# Altium PCB PCB_v3.PcbDoc (part 6 of 7)
Units mil, origin at the board's own origin, x right, y up, seen from the top; angles counter-clockwise.
Board outline 17000 x 5250 mil, 4 copper layers (Top Side, Ground Layer, Power Layer, Bottom Side), stack 33.2 mil thick; 591 components, 525 nets, 2570 pads, 902 vias.
Unrouted connection lines stored in the file: 119.
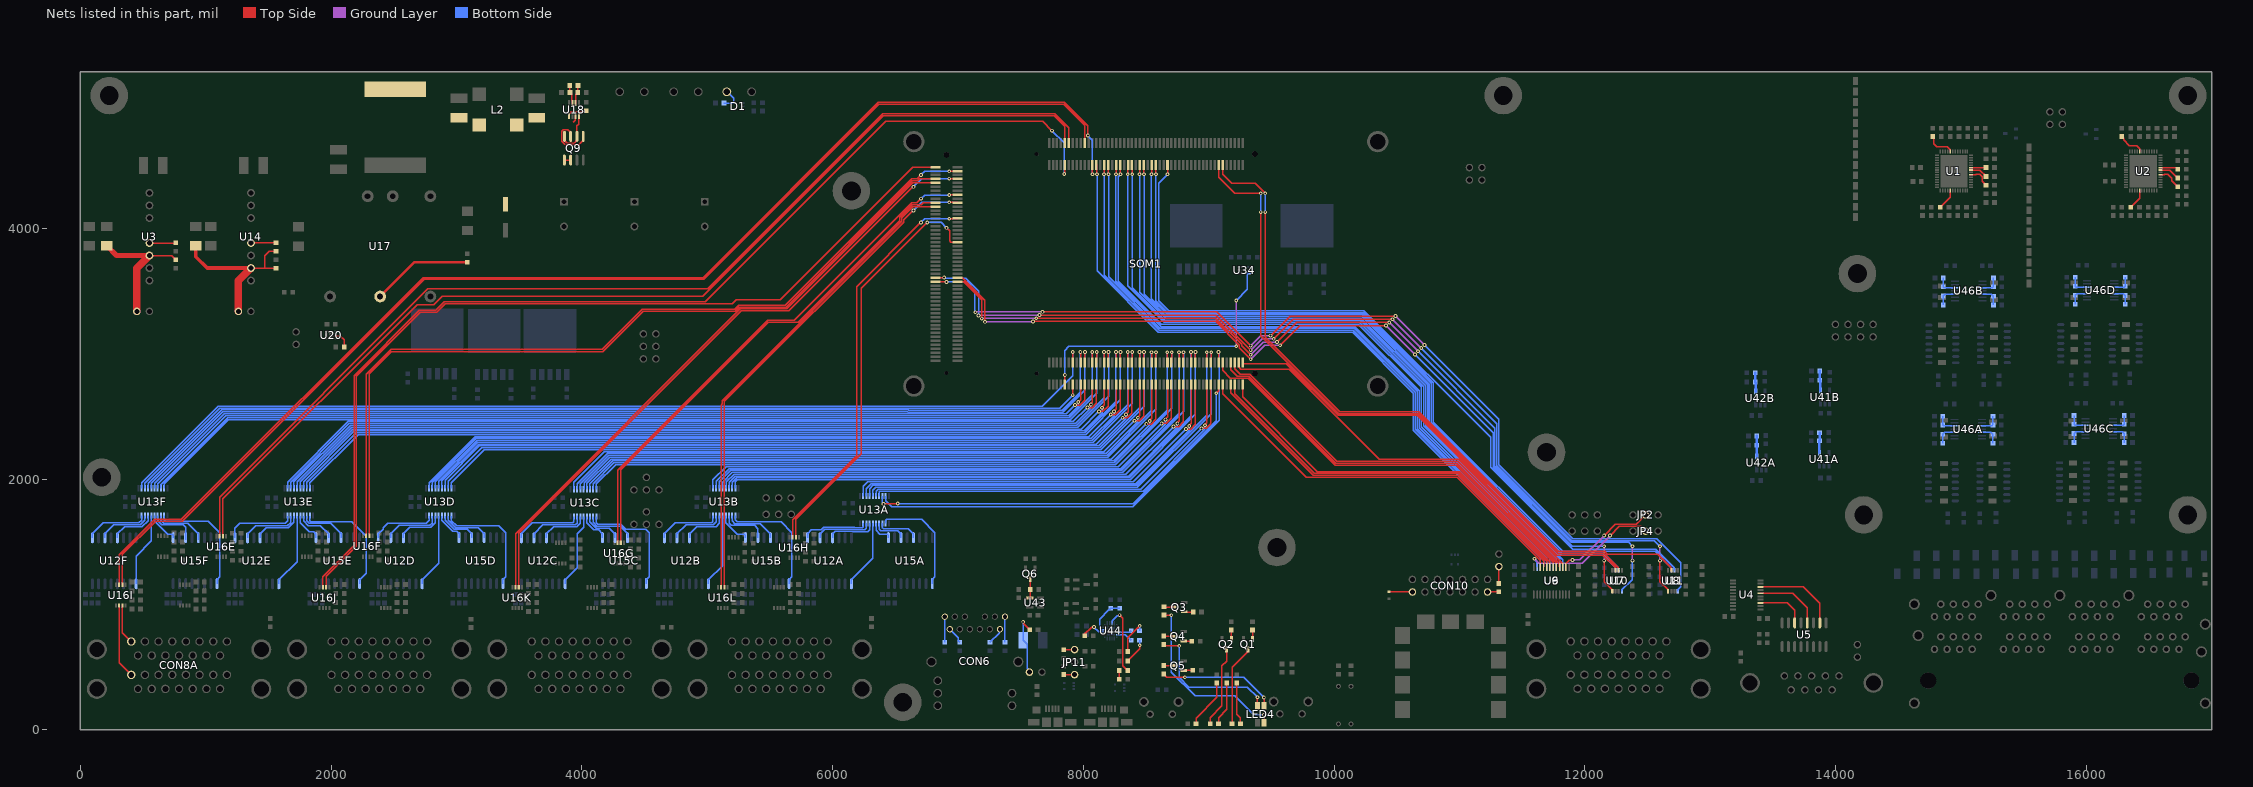
[diagram p8: the nets of this part, all layers, seen from the top]

## Via types
v1: diameter 30, hole 15, Top Side to Bottom Side, 586 vias
v2: diameter 22, hole 12, Top Side to Bottom Side, 248 vias
v3: diameter 25, hole 15, Top Side to Bottom Side, 30 vias
v4: diameter 60, hole 30, Top Side to Bottom Side, 29 vias
v5: diameter 50, hole 28, Top Side to Bottom Side, 7 vias
v6: diameter 40, hole 20, Top Side to Bottom Side, 2 vias

## Nets (pads, with @x,y where several pads share a name; then routed paths per layer and width w, separated by ;. In a path a pad name is that pad's centre, name@x,y a point inside that pad or via, vN(x,y) a via of type N, cw(c..) or ccw(c..) an arc to the next point about the centre after c; other vN are vias at no path point) (continued)
LV_GPIO_A2: SOM1.JX1-90 U8.3 | length 5648.3
  Top Side w10: SOM1.JX1-90@9112.48,4506.77 9112.48,4430.55 9183.02,4360 9371.3,4360 v1(9451.3,4280) ; v1(9451.3,4130) 9451.3,3130.84 10044.14,2538 10676.4,2538 11789.4,1425 12157.78,1425 12179.76,1403.02 12582.33,1403.02 12687.32,1298.03 12687.32,1276.15 U8.3@12690.59,1272.88
  Bottom Side w10: v1(9451.3,4130) v1(9451.3,4280)
LV_GPIO_A3: SOM1.JX1-88 U7.2 | length 5261.6
  Top Side w10: SOM1.JX1-88@9080.98,4506.77 9080.98,4408.77 9209.75,4280 v1(9415.3,4280) ; v1(9415.3,4130) 9415.3,3145.63 10037.93,2523 10670.18,2523 11783.18,1410 12151.57,1410 12267.13,1294.44 12267.13,1276.15 U7.2@12270.39,1272.88
  Bottom Side w10: v1(9415.3,4130) v1(9415.3,4280)
LV_GPIO_A4: SOM1.JX2-99 U7.3 | length 3680.4
  Top Side w10: SOM1.JX2-99@9269.96,2930 9269.96,2920 9619.72,2920 10031.72,2508 10663.97,2508 11776.97,1395 12145.36,1395 12241.54,1298.82 12241.54,1276.15 U7.3@12244.8,1272.88
LV_GPIO_A5: SOM1.JX2-97 U6.3 | length 3296
  Top Side w10: SOM1.JX2-97@9238.46,2930 9238.46,2896.49 9257.58,2877.38 9641.12,2877.38 10361.42,2157.09 10993.67,2157.09 11823.66,1327.09 11823.66,1301.14 U6.3@11824.57,1300.24
LV_GPIO_A6: SOM1.JX2-95 U6.4 | length 3312.3
  Top Side w10: SOM1.JX2-95@9206.97,2930 9206.97,2881.26 9251.46,2836.77 9326.84,2836.77 10021.53,2142.09 10985.55,2142.09 11798.07,1329.56 11798.07,1301.14 U6.4@11798.98,1300.24
LV_GPIO_A7: SOM1.JX2-93 U6.5 | length 3324.7
  Top Side w10: SOM1.JX2-93@9175.47,2930 9175.47,2874.53 9228.23,2821.77 9320.63,2821.77 10015.31,2127.09 10979.33,2127.09 11772.48,1333.94 11772.48,1301.14 U6.5@11773.39,1300.24
LV_GPIO_A8: SOM1.JX2-89 U6.6 | length 3368.8
  Top Side w10: SOM1.JX2-89@9112.48,2930 9112.48,2867.52 9173.23,2806.77 9314.42,2806.77 10009.1,2112.09 10973.12,2112.09 11746.89,1338.32 11746.89,1301.14 U6.6@11747.8,1300.24
LV_GPIO_A9: SOM1.JX2-90 U6.10 | length 3212.6
  Top Side w10: SOM1.JX2-90@9112.48,2756.77 9112.48,2681.14 9777.63,2015.98 10984.37,2015.98 11645.43,1354.92 U6.10@11645.43,1300.24
LV_GPIO_A10: SOM1.JX2-94 U6.9 | length 3166.6
  Top Side w10: SOM1.JX2-94@9175.47,2756.77 9175.47,2691.42 9835.91,2030.98 10990.58,2030.98 11671.02,1350.54 U6.9@11671.02,1300.24
LV_GPIO_A11: SOM1.JX2-96 U6.8 | length 3164.2
  Top Side w10: SOM1.JX2-96@9206.97,2756.77 9206.97,2681.14 9842.12,2045.98 10996.8,2045.98 11696.05,1346.73 11696.05,1300.8 U6.8@11696.61,1300.24
LV_GPIO_A12: SOM1.JX2-100 U6.7 | length 3138.3
  Top Side w10: SOM1.JX2-100@9269.96,2756.77 9269.96,2657.16 9866.14,2060.98 11003.01,2060.98 11721.3,1342.7 11721.3,1301.14 U6.7@11722.2,1300.24
LV_GPIO_B1: SOM1.JX1-62 U11.3 | length 6269.7
  Top Side w10: v1(8671.54,4432.37) SOM1.JX1-62@8671.53,4506.77
  Bottom Side w10: v1(8671.54,4432.37) 8600,4360.84 8600,3424.64 8680.64,3344 10239,3344 11250,2333 11250,2093.58 11903.58,1440 12566.57,1440 12712.91,1293.66 12712.91,1276.14 U11.3@12716.18,1272.87
LV_GPIO_B2: SOM1.JX1-56 U11.2 | length 6283.2
  Top Side w10: SOM1.JX1-56@8577.05,4506.77 8578.17,4505.65 8578.17,4433.5 v1(8579.3,4432.37)
  Bottom Side w10: v1(8579.3,4432.37) 8579.3,3424.13 8674.43,3329 10232.79,3329 10791,2770.79 10791,2456 11823,1424 12561.36,1424 12687.32,1298.03 12687.32,1276.14 U11.2@12690.59,1272.87
LV_GPIO_B3: SOM1.JX1-54 U10.3 | length 5888.5
  Top Side w10: v1(8543.3,4432.37) 8544.42,4433.5 8544.42,4505.65 SOM1.JX1-54@8545.55,4506.77
  Bottom Side w10: v1(8543.3,4432.37) 8543.3,3438.92 8668.22,3314 10226.58,3314 10776,2764.58 10776,2449.78 11816.78,1409 12152.57,1409 12267.91,1293.66 12267.91,1276.14 U10.3@12271.18,1272.87
LV_GPIO_B4: SOM1.JX1-50 U10.2 | length 5902.2
  Top Side w10: SOM1.JX1-50@8482.56,4506.77 8483.68,4505.65 8483.68,4433.5 v1(8484.81,4432.37)
  Bottom Side w10: v1(8484.81,4432.37) 8484.81,3476.2 8662.01,3299 10220.36,3299 10761,2758.36 10761,2443.57 11810.57,1394 12146.36,1394 12242.32,1298.03 12242.32,1276.14 U10.2@12245.59,1272.87
LV_GPIO_B5: SOM1.JX1-48 U9.10 | length 5518.6
  Top Side w10: v1(8448.81,4432.37) 8449.94,4433.5 8449.94,4505.65 SOM1.JX1-48@8451.06,4506.77
  Bottom Side w10: v1(8448.81,4432.37) 8448.81,3490.98 8655.79,3284 10214.15,3284 10746,2752.15 10746,2437.36 11824.57,1358.79 U9.10@11824.57,1300.24
LV_GPIO_B6: SOM1.JX1-44 U9.9 | length 5532.2
  Top Side w10: SOM1.JX1-44@8388.07,4506.77 8389.2,4505.65 8389.2,4433.5 v1(8390.32,4432.37)
  Bottom Side w10: v1(8390.32,4432.37) 8390.32,3528.26 8649.58,3269 10207.94,3269 10731,2745.94 10731,2431.14 11798.98,1363.17 U9.9@11798.98,1300.24
LV_GPIO_B7: SOM1.JX1-42 U9.8 | length 5534.9
  Top Side w10: v1(8354.32,4432.37) 8355.45,4433.5 8355.45,4505.65 SOM1.JX1-42@8356.57,4506.77
  Bottom Side w10: v1(8354.32,4432.37) 8354.32,3543.04 8645.37,3252 10200.89,3252 10716,2736.89 10716,2424.93 11773.39,1367.54 U9.8@11773.39,1300.24
LV_GPIO_B8: SOM1.JX1-38 U9.7 | length 5571.4
  Top Side w10: SOM1.JX1-38@8293.58,4506.77 8294.71,4505.65 8294.71,4433.5 v1(8295.83,4432.37)
  Bottom Side w10: v1(8295.83,4432.37) 8295.83,4426.96 8280,4411.13 8280,3579.44 8622.44,3237 10194.68,3237 10695,2736.68 10695,2416.23 11747.8,1363.44 U9.7@11747.8,1300.24
LV_GPIO_B9: SOM1.JX1-26 U9.3 | length 5580.3
  Top Side w10: SOM1.JX1-26@8104.61,4506.77 8107.3,4504.07 8107.3,4435.07 v1(8110,4432.37)
  Bottom Side w10: v1(8110,4432.37) 8110,3661.76 8599.14,3172.61 10147.68,3172.61 10633,2687.3 10633,2390.55 11645.43,1378.12 U9.3@11645.43,1300.24
LV_GPIO_B10: SOM1.JX1-30 U9.4 | length 5566.7
  Top Side w10: v1(8165.35,4432.37) 8166.47,4433.5 8166.47,4505.65 SOM1.JX1-30@8167.6,4506.77
  Bottom Side w10: v1(8165.35,4432.37) 8165.35,3627.62 8605.36,3187.61 10153.9,3187.61 10648,2693.51 10648,2396.76 11671.02,1373.74 U9.4@11671.02,1300.24
LV_GPIO_B11: SOM1.JX1-32 U9.5 | length 5562.4
  Top Side w10: SOM1.JX1-32@8199.09,4506.77 8200.22,4505.65 8200.22,4433.5 v1(8201.35,4432.37)
  Bottom Side w10: v1(8201.35,4432.37) 8201.35,3612.84 8611.57,3202.61 10160.11,3202.61 10663,2699.72 10663,2402.98 11696.61,1369.36 U9.5@11696.61,1300.24
LV_GPIO_B12: SOM1.JX1-36 U9.6 | length 5547.1
  Top Side w10: v1(8259.83,4432.37) 8260.96,4433.5 8260.96,4505.65 SOM1.JX1-36@8262.09,4506.77
  Bottom Side w10: v1(8259.83,4432.37) 8259.83,3578.39 8620.61,3217.61 10166.32,3217.61 10680,2703.94 10680,2410.02 11722.2,1367.81 U9.6@11722.2,1300.24
LV_GPIO_DIR1: SOM1.JX3-43 U8.5 | length 7568.8
  Top Side w10: SOM1.JX3-43@6821.69,3607.65 6821.94,3607.9 6889.75,3607.9 v1(6890,3608.15) ; v1(7649.54,3309.54) 9054.46,3309.54 v1(9335,3029) ; v1(9519.09,3119.62) 9675.38,3275.91 v1(10465.91,3275.91) ; v1(12600,1350) 12600,1181.35 12665,1116.35 U8.5@12665,1107.12
  Ground Layer w10: v1(7164.09,3305.91) 7167.27,3309.09 7649.09,3309.09 v1(7649.54,3309.54) ; v1(9335,3029) 9425.62,3119.62 v1(9519.09,3119.62) ; v1(10465.91,3275.91) v1(10695.91,3045.91) ; v1(12600,1350) v1(12600,1465)
  Bottom Side w10: v1(6890,3608.15) 6893.83,3604.32 7060.55,3604.32 7164.09,3500.78 v1(7164.09,3305.91) ; v1(10695.91,3045.91) 11298.48,2443.34 11298.48,2108.74 11897.22,1510 12555,1510 v1(12600,1465)
LV_GPIO_DIR2: SOM1.JX3-44 U7.5 | length 6933.1
  Top Side w10: SOM1.JX3-44@6994.92,3607.65 7035.02,3607.65 7215,3427.66 v1(7215,3255) ; v1(7598.63,3258.63) 9056.72,3258.63 9245,3070.36 9245,3047 v1(9335,2957) ; v1(9570,3068.71) 9726.29,3225 v1(10415,3225) ; v1(12155,1350) 12155,1180.56 12219.21,1116.35 U7.5@12219.21,1107.12
  Ground Layer w10: v1(7215,3255) 7216.82,3256.82 7596.82,3256.82 v1(7598.63,3258.63) ; v1(9335,2957) 9446.71,3068.71 v1(9570,3068.71) ; v1(10415,3225) v1(10645,2995) ; v1(12155,1350) v1(12155,1465)
  Bottom Side w10: v1(10645,2995) 11268.48,2371.52 11268.48,2096.31 11899.79,1465 v1(12155,1465)
LV_GPIO_DIR3: SOM1.JX3-41 U11.5 | length 7624.2
  Top Side w10: SOM1.JX3-41@6821.69,3576.15 6822.82,3575.03 6907.18,3575.03 v1(6908.31,3573.9) ; v1(7675,3335) 9065,3335 v1(9335,3065) ; v1(9493.63,3145.08) 9649.92,3301.37 v1(10491.37,3301.37)
  Ground Layer w10: v1(7138.63,3331.37) 7141.81,3334.54 7674.54,3334.54 v1(7675,3335) ; v1(9335,3065) 9415.08,3145.08 v1(9493.63,3145.08) ; v1(10491.37,3301.37) v1(10721.37,3071.37)
  Bottom Side w10: v1(6908.31,3573.9) 7068.76,3573.9 7134.81,3507.86 7134.81,3335.19 v1(7138.63,3331.37) ; v1(10721.37,3071.37) 11314.31,2478.42 11314.31,2114.12 11903.43,1525 12575.36,1525 12766.77,1333.58 12766.77,1141.34 12741.77,1116.34 U11.5@12741.77,1107.11
LV_GPIO_DIR4: SOM1.JX3-42 U10.5 | length 7140.6
  Top Side w10: SOM1.JX3-42@6994.92,3576.15 7045.3,3576.15 7189.54,3431.91 v1(7189.54,3280.46) ; v1(7624.09,3284.09) 9052.48,3284.09 9262.15,3074.41 9262.15,3065.85 v1(9335,2993) ; v1(9544.54,3094.17) 9700.83,3250.46 v1(10440.46,3250.46)
  Ground Layer w10: v1(7189.54,3280.46) 7192.72,3283.63 7623.63,3283.63 v1(7624.09,3284.09) ; v1(9335,2993) 9436.17,3094.17 v1(9544.54,3094.17) ; v1(10440.46,3250.46) v1(10670.46,3020.46) ; v1(12380,1350) v1(12380,1465)
  Bottom Side w10: v1(10670.46,3020.46) 11283.48,2407.43 11283.48,2102.53 11891.01,1495 12350,1495 v1(12380,1465) ; U10.5@12296.77,1107.11 12296.77,1116.34 12380,1199.57 v1(12380,1350)
LV_INV1_PWM1: SOM1.JX2-25 U13F.9 | length 8187.7
  Top Side w10: SOM1.JX2-25@8104.61,2930 8105.73,2931.13 8105.73,3013.87 v1(8106.86,3015)
  Bottom Side w10: U13F.9@667.44,1927.6 667.44,1961.73 1180.81,2475.1 7894.68,2475.1 8106.86,2687.28 v1(8106.86,3015)
LV_INV1_PWM2: SOM1.JX2-23 U13F.8 | length 8183.5
  Top Side w10: v1(8070.86,3015) 8071.98,3013.87 8071.98,2931.13 SOM1.JX2-23@8073.11,2930
  Bottom Side w10: U13F.8@641.85,1927.6 641.85,1957.52 1174.43,2490.1 7888.47,2490.1 8070.86,2672.49 v1(8070.86,3015)
LV_INV1_PWM3: SOM1.JX2-18 U13F.7 | length 7817.7
  Top Side w10: v1(7960,2615) 7978.62,2633.62 SOM1.JX2-18@7978.62,2756.77
  Bottom Side w10: U13F.7@616.26,1927.6 616.26,1963.26 1158.1,2505.1 7882.25,2505.1 7960,2582.85 v1(7960,2615)
LV_INV1_PWM4: SOM1.JX2-20 U13F.6 | length 7860.6
  Top Side w10: v1(7932.94,2591.15) 7934.09,2590 7970.36,2590 8010.12,2629.76 SOM1.JX2-20@8010.12,2756.77
  Bottom Side w10: U13F.6@590.67,1927.6 590.67,1965.67 1145.1,2520.1 7861.9,2520.1 v1(7932.94,2591.15)
LV_INV1_PWM5: SOM1.JX2-19 U13F.5 | length 8186
  Top Side w10: SOM1.JX2-19@8010.12,2930 8011.24,2931.13 8011.24,3013.87 v1(8012.37,3015)
  Bottom Side w10: U13F.5@565.08,1927.6 565.08,1965.59 1136.47,2536.99 6599.15,2536.99 6601.04,2535.1 7837.3,2535.1 8012.37,2710.17 v1(8012.37,3015)
LV_INV1_PWM6: SOM1.JX2-17 U13F.4 | length 8184.2
  Top Side w10: v1(7976.37,3015) 7977.5,3013.87 7977.5,2931.13 SOM1.JX2-17@7978.62,2930
  Bottom Side w10: U13F.4@539.49,1927.6 539.49,1965.51 1125.96,2551.99 6605.37,2551.99 6607.25,2550.1 7831.09,2550.1 7976.37,2695.39 v1(7976.37,3015)
LV_INV2_PWM1: SOM1.JX2-24 U13E.3 | length 6873.7
  Top Side w10: v1(8060,2595) 8060,2600.41 8073.11,2613.52 SOM1.JX2-24@8073.11,2756.77
  Bottom Side w10: U13E.3@1677.13,1927.6 1677.13,1977.13 2145.1,2445.1 7941.05,2445.1 8060,2564.06 v1(8060,2595)
LV_INV2_PWM2: SOM1.JX2-26 U13E.2 | length 6916
  Top Side w10: v1(8032.34,2571.75) 8034.09,2570 8070.36,2570 8104.61,2604.25 SOM1.JX2-26@8104.61,2756.77
  Bottom Side w10: U13E.2@1651.54,1927.6 1651.54,1976.54 2135.1,2460.1 7920.69,2460.1 v1(8032.34,2571.75)
LV_INV2_PWM3: SOM1.JX2-29 U13E.4 | length 7243.2
  Top Side w10: v1(8165.35,3015) 8166.47,3013.87 8166.47,2931.13 SOM1.JX2-29@8167.6,2930
  Bottom Side w10: U13E.4@1702.72,1927.6 1702.72,1977.72 2155.1,2430.1 7947.26,2430.1 8165.35,2648.19 v1(8165.35,3015)
LV_INV2_PWM4: SOM1.JX2-31 U13E.5 | length 7246.8
  Top Side w10: SOM1.JX2-31@8199.09,2930 8200.22,2931.13 8200.22,3013.87 v1(8201.35,3015)
  Bottom Side w10: U13E.5@1728.31,1927.6 1728.31,1979.52 2163.89,2415.1 7954.89,2415.1 8201.35,2661.56 v1(8201.35,3015)
LV_INV2_PWM5: SOM1.JX2-14 U13F.3 | length 7821.8
  Top Side w10: v1(7915.63,2670) SOM1.JX2-14@7915.63,2756.77
  Bottom Side w10: U13F.3@513.9,1927.6 513.9,1968.9 1111.99,2566.99 6611.58,2566.99 6613.46,2565.1 7810.73,2565.1 v1(7915.63,2670)
LV_INV2_PWM6: SOM1.JX2-13 U13F.2 | length 8101.4
  Top Side w10: SOM1.JX2-13@7915.63,2930 v1(7915.63,3015)
  Bottom Side w10: U13F.2@488.31,1927.6 488.31,1970 1100.29,2581.99 6617.79,2581.99 6619.68,2580.1 7672.46,2580.1 7915.63,2823.27 v1(7915.63,3015)
LV_INV3_PWM1: SOM1.JX2-43 U13D.5 | length 6340.8
  Top Side w10: SOM1.JX2-43@8388.07,2930 8389.2,2931.13 8389.2,3013.87 v1(8390.32,3015)
  Bottom Side w10: U13D.5@2857.13,1927.6 2857.13,1981.98 3170.25,2295.1 8079.06,2295.1 8390.32,2606.36 v1(8390.32,3015)
LV_INV3_PWM2: SOM1.JX2-41 U13D.4 | length 6335.1
  Top Side w10: v1(8354.32,3015) 8355.45,3013.87 8355.45,2931.13 SOM1.JX2-41@8356.57,2930
  Bottom Side w10: U13D.4@2831.54,1927.6 2831.54,1977.6 3164.04,2310.1 8070.46,2310.1 8354.32,2593.96 v1(8354.32,3015)
LV_INV3_PWM3: SOM1.JX2-36 U13D.3 | length 5964.2
  Top Side w10: v1(8245,2540) 8245,2545.41 8262.09,2562.5 SOM1.JX2-36@8262.09,2756.77
  Bottom Side w10: U13D.3@2805.94,1927.6 2805.94,1974.82 3156.22,2325.1 8064.25,2325.1 8245,2505.85 v1(8245,2540)
LV_INV3_PWM4: SOM1.JX2-38 U13D.2 | length 6001.1
  Top Side w10: v1(8218.94,2515.15) 8219.09,2515 8255.36,2515 8293.58,2553.23 SOM1.JX2-38@8293.58,2756.77
  Bottom Side w10: U13D.2@2780.35,1927.6 2780.35,1970.45 3150.01,2340.1 8043.9,2340.1 v1(8218.94,2515.15)
LV_INV3_PWM5: SOM1.JX2-37 U13E.9 | length 7251.6
  Top Side w10: SOM1.JX2-37@8293.58,2930 8294.71,2931.13 8294.71,3013.87 v1(8295.83,3015)
  Bottom Side w10: U13E.9@1830.67,1927.6 1830.67,1971.22 2214.55,2355.1 8019.3,2355.1 8295.83,2631.64 v1(8295.83,3015)
LV_INV3_PWM6: SOM1.JX2-35 U13E.8 | length 7252.5
  Top Side w10: v1(8259.83,3015) 8260.96,3013.87 8260.96,2931.13 SOM1.JX2-35@8262.09,2930
  Bottom Side w10: U13E.8@1805.08,1927.6 1805.08,1977.09 2198.09,2370.1 8011.67,2370.1 8259.83,2618.27 v1(8259.83,3015)
LV_INV4_PWM1: SOM1.JX2-47 U13D.8 | length 6345
  Top Side w10: v1(8448.81,3015) 8449.94,3013.87 8449.94,2931.13 SOM1.JX2-47@8451.06,2930
  Bottom Side w10: U13D.8@2933.9,1927.6 2933.9,1982.8 3201.2,2250.1 8130.23,2250.1 8448.81,2568.68 v1(8448.81,3015)
LV_INV4_PWM2: SOM1.JX2-49 U13D.9 | length 6341.4
  Top Side w10: SOM1.JX2-49@8482.56,2930 8483.68,2931.13 8483.68,3013.87 v1(8484.81,3015)
  Bottom Side w10: U13D.9@2959.49,1927.6 2959.49,1972.14 3222.45,2235.1 8137.86,2235.1 8484.81,2582.06 v1(8484.81,3015)
LV_INV4_PWM3: SOM1.JX2-42 U13D.7 | length 5980.5
  Top Side w10: v1(8340,2515) 8340,2520.41 8356.57,2536.99 SOM1.JX2-42@8356.57,2756.77
  Bottom Side w10: U13D.7@2908.31,1927.6 2908.31,1990.73 3182.68,2265.1 8124.02,2265.1 8340,2481.09 v1(8340,2515)
LV_INV4_PWM4: SOM1.JX2-44 U13D.6 | length 6017.6
  Top Side w10: v1(8313.82,2490.26) 8314.09,2490 8350.36,2490 8388.07,2527.71 SOM1.JX2-44@8388.07,2756.77
  Bottom Side w10: U13D.6@2882.72,1927.6 2882.72,1986.36 3176.46,2280.1 8103.66,2280.1 v1(8313.82,2490.26)
LV_INV4_PWM5: SOM1.JX2-30 U13E.7 | length 6884.7
  Top Side w10: v1(8150,2570) 8150,2575.41 8167.6,2593.01 SOM1.JX2-30@8167.6,2756.77
  Bottom Side w10: U13E.7@1779.49,1927.6 1779.49,1979.49 2185.1,2385.1 8005.46,2385.1 8150,2529.64 v1(8150,2570)
LV_INV4_PWM6: SOM1.JX2-32 U13E.6 | length 6921
  Top Side w10: v1(8125,2540) 8155.36,2540 8199.09,2583.74 SOM1.JX2-32@8199.09,2756.77
  Bottom Side w10: U13E.6@1753.9,1927.6 1753.9,1980.55 2173.45,2400.1 7985.1,2400.1 v1(8125,2540)
LV_INV5_PWM1: SOM1.JX2-63 U13C.9 | length 5411.7
  Top Side w10: SOM1.JX2-63@8703.03,2930 8704.16,2931.13 8704.16,3011.62 v1(8705.28,3012.75)
  Bottom Side w10: U13C.9@4115.67,1920 4115.67,1961.54 4269.24,2115.1 8254.03,2115.1 8705.28,2566.35 v1(8705.28,3012.75)
LV_INV5_PWM2: SOM1.JX2-61 U13C.8 | length 5411.8
  Top Side w10: v1(8669.28,3012.75) 8670.41,3011.62 8670.41,2931.13 SOM1.JX2-61@8671.54,2930
  Bottom Side w10: U13C.8@4090.08,1920 4090.08,1964.65 4255.54,2130.1 8247.82,2130.1 8669.28,2551.57 v1(8669.28,3012.75)
LV_INV5_PWM3: SOM1.JX2-54 U13C.7 | length 5033.1
  Top Side w10: v1(8530,2465) 8530,2470.41 8545.55,2485.96 SOM1.JX2-54@8545.55,2756.77
  Bottom Side w10: U13C.7@4064.49,1920 4064.49,1962.93 4246.66,2145.1 8241.6,2145.1 8530,2433.5 v1(8530,2465)
LV_INV5_PWM4: SOM1.JX2-56 U13C.6 | length 5077.1
  Top Side w10: v1(8502.62,2441.47) 8504.09,2440 8540.36,2440 8577.05,2476.69 SOM1.JX2-56@8577.05,2756.77
  Bottom Side w10: U13C.6@4038.9,1920 4038.9,1966.13 4232.87,2160.1 8221.25,2160.1 v1(8502.62,2441.47)
LV_INV5_PWM5: SOM1.JX2-55 U13C.5 | length 5395
  Top Side w10: SOM1.JX2-55@8577.05,2930 8578.17,2931.13 8578.17,3011.62 v1(8579.3,3012.75)
  Bottom Side w10: U13C.5@4013.31,1920 4017.17,1923.86 4017.17,1969.99 4222.28,2175.1 8195.24,2175.1 8579.3,2559.16 v1(8579.3,3012.75)
LV_INV5_PWM6: SOM1.JX2-53 U13C.4 | length 5390.9
  Top Side w10: v1(8543.3,3012.75) 8544.43,3011.62 8544.43,2931.13 SOM1.JX2-53@8545.55,2930
  Bottom Side w10: U13C.4@3987.72,1920 3987.72,1962.13 4215.69,2190.1 8189.02,2190.1 8543.3,2544.38 v1(8543.3,3012.75)
LV_INV6_PWM1: SOM1.JX2-62 U13B.3 | length 4151.9
  Top Side w10: v1(8655,2475) 8655,2480.41 8671.53,2496.95 SOM1.JX2-62@8671.53,2756.77
  Bottom Side w10: U13B.3@5071.2,1927.6 5071.2,1982.31 5174,2085.1 8300.46,2085.1 8655,2439.64 v1(8655,2475)
LV_INV6_PWM2: SOM1.JX2-64 U13B.2 | length 4197.9
  Top Side w10: v1(8625,2445) 8660.36,2445 8703.03,2487.67 SOM1.JX2-64@8703.03,2756.77
  Bottom Side w10: U13B.2@5045.61,1927.6 5045.61,1994.78 5150.93,2100.1 8280.1,2100.1 v1(8625,2445)
LV_INV6_PWM3: SOM1.JX2-67 U13B.4 | length 4514.4
  Top Side w10: v1(8763.77,3012.75) 8764.9,3011.62 8764.9,2931.13 SOM1.JX2-67@8766.02,2930
  Bottom Side w10: U13B.4@5096.8,1927.6 5096.8,1978.45 5188.45,2070.1 8306.67,2070.1 8763.77,2527.2 v1(8763.77,3012.75)
LV_INV6_PWM4: SOM1.JX2-69 U13B.5 | length 4514.8
  Top Side w10: SOM1.JX2-69@8797.52,2930 8798.65,2931.13 8798.65,3011.62 v1(8799.77,3012.75)
  Bottom Side w10: U13B.5@5122.39,1927.6 5122.39,1976.3 5201.19,2055.1 8312.88,2055.1 8799.77,2541.99 v1(8799.77,3012.75)
LV_INV6_PWM5: SOM1.JX2-48 U13C.3 | length 5026.2
  Top Side w10: v1(8435,2490) 8435,2495.41 8451.06,2511.47 SOM1.JX2-48@8451.06,2756.77
  Bottom Side w10: U13C.3@3962.13,1920 3962.13,1962.13 4205.1,2205.1 8182.81,2205.1 8435,2457.29 v1(8435,2490)
LV_INV6_PWM6: SOM1.JX2-50 U13C.2 | length 5075.6
  Top Side w10: v1(8408.22,2465.87) 8409.09,2465 8445.36,2465 8482.56,2502.2 SOM1.JX2-50@8482.56,2756.77
  Bottom Side w10: U13C.2@3936.54,1920 3936.54,1976.54 4180.1,2220.1 8162.46,2220.1 v1(8408.22,2465.87)
LV_INV7_PWM1: SOM1.JX2-83 U13A.5 | length 3573.6
  Top Side w10: SOM1.JX2-83@9017.99,2930 9019.12,2931.13 9019.12,3011.62 v1(9020.24,3012.75)
  Bottom Side w10: U13A.5@6320.61,1865 6320.61,1913.46 6342.24,1935.1 8431.68,1935.1 9020.24,2523.67 v1(9020.24,3012.75)
LV_INV7_PWM2: SOM1.JX2-81 U13A.4 | length 3578.1
  Top Side w10: v1(8984.24,3012.75) 8985.37,3011.62 8985.37,2931.13 SOM1.JX2-81@8986.5,2930
  Bottom Side w10: U13A.4@6295.02,1865 6295.02,1924.07 6321.05,1950.1 8425.46,1950.1 8984.24,2508.88 v1(8984.24,3012.75)
LV_INV7_PWM3: SOM1.JX2-74 U13A.3 | length 3200.5
  Top Side w10: v1(8845,2425) 8845,2430.41 8860.51,2445.92 SOM1.JX2-74@8860.51,2756.77
  Bottom Side w10: U13A.3@6269.42,1865 6269.42,1924.42 6310.1,1965.1 8419.25,1965.1 8845,2390.85 v1(8845,2425)
LV_INV7_PWM4: SOM1.JX2-76 U13A.2 | length 3251.9
  Top Side w10: v1(8818.94,2400.15) 8819.09,2400 8855.36,2400 8892.01,2436.65 SOM1.JX2-76@8892.01,2756.77
  Bottom Side w10: U13A.2@6243.83,1865 6243.83,1944.66 6279.27,1980.1 8398.9,1980.1 v1(8818.94,2400.15)
LV_INV7_PWM5: SOM1.JX2-68 U13B.7 | length 4156
  Top Side w10: v1(8750,2445) 8750,2450.41 8766.02,2466.43 SOM1.JX2-68@8766.02,2756.77
  Bottom Side w10: U13B.7@5173.57,1927.6 5173.57,1977.14 5221.52,2025.1 8360.46,2025.1 8750,2414.64 v1(8750,2445)
LV_INV7_PWM6: SOM1.JX2-70 U13B.6 | length 4195.5
  Top Side w10: v1(8720,2420) 8760.36,2420 8797.52,2457.16 SOM1.JX2-70@8797.52,2756.77
  Bottom Side w10: U13B.6@5147.98,1927.6 5151.83,1931.46 5151.83,1977.54 5214.39,2040.1 8340.1,2040.1 v1(8720,2420)
LV_INV8_PWM1: SOM1.JX2-88 U13A.8 | length 3306
  Top Side w10: v1(6405,1802.34) 6517.08,1802.34 v1(6520,1805.26) ; v1(9060,2685) 9080.98,2705.98 SOM1.JX2-88@9080.98,2756.77
  Bottom Side w10: U13A.8@6397.38,1865 6397.38,1817.14 6412.18,1802.34 v1(6405,1802.34) ; v1@6520,1806.56 6521.3,1805.26 8399.42,1805.26 9060,2465.84 v1(9060,2685)
LV_INV8_PWM2: SOM1.JX2-87 U13A.9 | length 3637.7
  Top Side w10: v1(9078.73,3015) 9079.86,3013.87 9079.86,2931.13 SOM1.JX2-87@9080.98,2930
  Bottom Side w10: U13A.9@6422.97,1865 6422.97,1828.86 6471.57,1780.26 8395.63,1780.26 9085,2469.63 9085,3003.32 9078.73,3009.59 v1(9078.73,3015)
LV_INV8_PWM3: SOM1.JX2-82 U13A.7 | length 3205.6
  Top Side w10: v1(8970,2430) 8970,2435.41 8986.49,2451.91 SOM1.JX2-82@8986.49,2756.77
  Bottom Side w10: U13A.7@6371.79,1865 6371.79,1899.88 6377.01,1905.1 8478.04,1905.1 8970,2397.06 v1(8970,2430)
LV_INV8_PWM4: SOM1.JX2-84 U13A.6 | length 3248.5
  Top Side w10: v1(8943.34,2405.75) 8944.09,2405 8980.36,2405 9017.99,2442.63 SOM1.JX2-84@9017.99,2756.77
  Bottom Side w10: U13A.6@6346.2,1865 6346.2,1903.74 6362.56,1920.1 8457.69,1920.1 v1(8943.34,2405.75)
LV_INV8_PWM5: SOM1.JX2-75 U13B.9 | length 4528.4
  Top Side w10: SOM1.JX2-75@8892.01,2930 8893.13,2931.13 8893.13,3013.87 v1(8894.26,3015)
  Bottom Side w10: U13B.9@5224.75,1927.6 5224.75,1979.72 5240.13,1995.1 8372.88,1995.1 8894.26,2516.48 v1(8894.26,3015)
LV_INV8_PWM6: SOM1.JX2-73 U13B.8 | length 4524.1
  Top Side w10: v1(8858.26,3015) 8859.39,3013.87 8859.39,2931.13 SOM1.JX2-73@8860.51,2930